# Allegro board meta_carrier_lay_rev1.brd (continued)
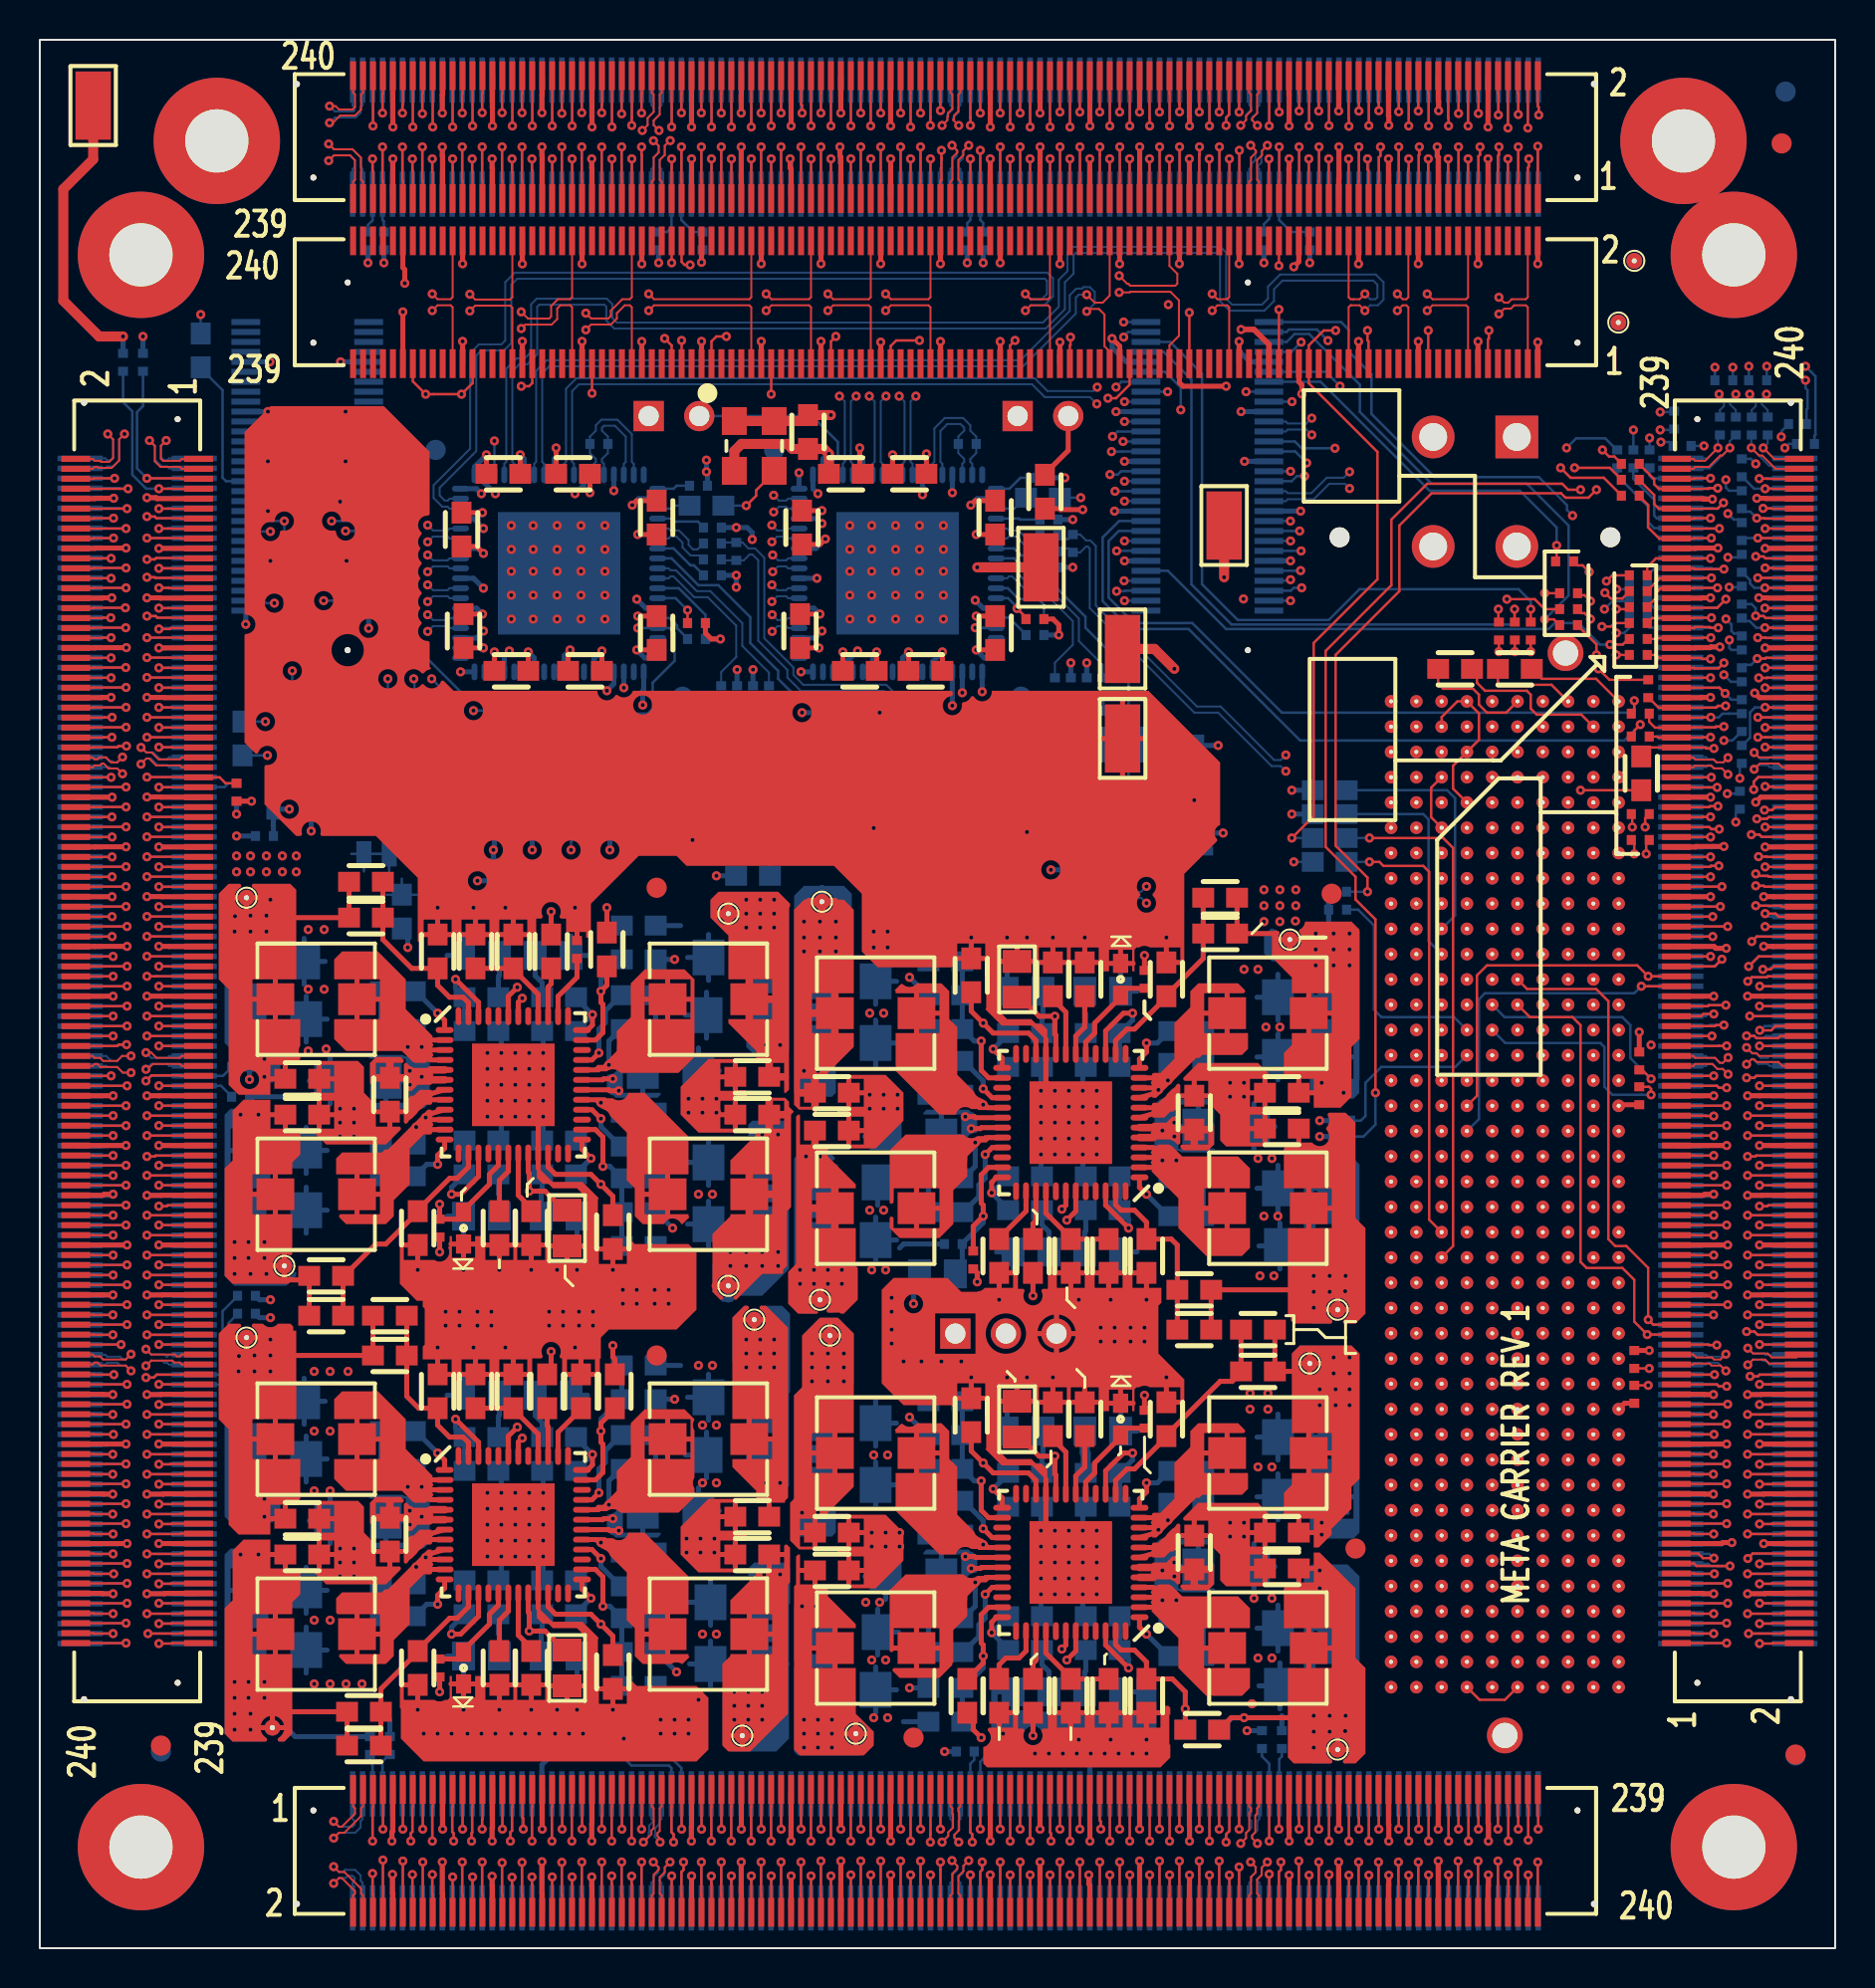
[diagram p0: board, top side]
## Routing (per net, layer and track width the routed paths; a pad name or vN(x,y) marks a point on that pad's centre or on a via; arc(x,y) is an arc through that point) (continued)
  BOTTOM w0.127: J15.233 v1(5.38,16.81)
WE_DATA_IN_P31: length 4.9
  TOP w0.127: v1(5.43,15.81) 7.07,15.81 7.09,15.83 J3.237
  BOTTOM w0.127: J15.237 v1(5.43,15.81)
WE_DATA_OUT_N0: length 3.3
  TOP w0.127: J3.22 v1(3.58,69.83)
  BOTTOM w0.127: J15.22 3.56,69.85 v1(3.58,69.83)
WE_DATA_OUT_N1: length 3.3
  TOP w0.127: J3.26 v1(3.58,68.83)
  BOTTOM w0.127: J15.26 3.56,68.85 v1(3.58,68.83)
WE_DATA_OUT_N2: length 4.8
  TOP w0.127: v1(4.3,67.35) 2.71,67.35 2.69,67.33 J3.32
  BOTTOM w0.127: J15.32 v1(4.3,67.35)
WE_DATA_OUT_N3: length 4.8
  TOP w0.127: v1(4.31,66.35) 2.71,66.35 2.69,66.33 J3.36
  BOTTOM w0.127: J15.36 v1(4.31,66.35)
WE_DATA_OUT_N4: length 3.3
  TOP w0.127: J3.42 v1(3.58,64.83)
  BOTTOM w0.127: J15.42 3.57,64.84 v1(3.58,64.83)
WE_DATA_OUT_N5: length 3.3
  TOP w0.127: J3.46 v1(3.58,63.83)
  BOTTOM w0.127: v1(3.58,63.83) 3.57,63.84 J15.46
WE_DATA_OUT_N6: length 4.8
  TOP w0.127: J3.52 2.69,62.33 2.7,62.34 v1(4.33,62.34)
  BOTTOM w0.127: J15.52 v1(4.33,62.34)
WE_DATA_OUT_N7: length 4.8
  TOP w0.127: v1(4.33,61.34) 2.7,61.34 2.69,61.33 J3.56
  BOTTOM w0.127: J15.56 v1(4.33,61.34)
WE_DATA_OUT_N8: length 3.4
  TOP w0.127: J3.82 v1(3.63,54.83)
  BOTTOM w0.127: J15.82 3.33,54.84 3.33,54.83 v1(3.63,54.83)
WE_DATA_OUT_N9: length 3.4
  TOP w0.127: J3.86 v1(3.63,53.83)
  BOTTOM w0.127: v1(3.63,53.83) 3.33,53.83 3.33,53.84 J15.86
WE_DATA_OUT_N10: length 4.8
  TOP w0.127: J3.92 2.69,52.33 2.7,52.34 v1(4.33,52.34)
  BOTTOM w0.127: J15.92 v1(4.33,52.34)
WE_DATA_OUT_N11: length 4.9
  TOP w0.127: v1(4.38,51.34) 2.7,51.34 2.69,51.33 J3.96
  BOTTOM w0.127: J15.96 v1(4.38,51.34)
WE_DATA_OUT_N12: length 3.5
  TOP w0.127: J3.102 v1(3.68,49.83)
  BOTTOM w0.127: v1(3.68,49.83) 3.33,49.83 3.33,49.83 J15.102
WE_DATA_OUT_N13: length 3.5
  TOP w0.127: J3.106 v1(3.68,48.83)
  BOTTOM w0.127: v1(3.68,48.83) 3.33,48.83 3.33,48.83 J15.106
WE_DATA_OUT_N14: length 4.9
  TOP w0.127: J3.112 2.69,47.33 2.69,47.33 v1(4.38,47.33)
  BOTTOM w0.127: J15.112 v1(4.38,47.33)
WE_DATA_OUT_N15: length 4.9
  TOP w0.127: v1(4.38,46.33) 2.69,46.33 2.69,46.33 J3.116
  BOTTOM w0.127: J15.116 v1(4.38,46.33)
WE_DATA_OUT_N16: length 3.5
  TOP w0.127: v1(3.68,39.83) 2.7,39.83 2.69,39.83 J3.142
  BOTTOM w0.127: J15.142 v1(3.68,39.83)
WE_DATA_OUT_N17: length 3.5
  TOP w0.127: v1(3.68,38.82) 2.7,38.82 2.69,38.83 J3.146
  BOTTOM w0.127: J15.146 v1(3.68,38.82)
WE_DATA_OUT_N18: length 4.8
  TOP w0.127: J3.152 v1(4.33,37.33)
  BOTTOM w0.127: v1(4.33,37.33) 3.33,37.33 3.33,37.32 J15.152
WE_DATA_OUT_N19: length 4.8
  TOP w0.127: J3.156 v1(4.33,36.33)
  BOTTOM w0.127: v1(4.33,36.33) 3.33,36.33 3.33,36.32 J15.156
WE_DATA_OUT_N20: length 3.5
  TOP w0.127: J3.162 2.69,34.83 2.7,34.82 v1(3.68,34.82)
  BOTTOM w0.127: J15.162 v1(3.68,34.82)
WE_DATA_OUT_N21: length 3.5
  TOP w0.127: v1(3.68,33.82) 2.7,33.82 2.69,33.83 J3.166
  BOTTOM w0.127: J15.166 v1(3.68,33.82)
WE_DATA_OUT_N22: length 4.9
  TOP w0.127: J3.172 v1(4.38,32.33)
  BOTTOM w0.127: J15.172 3.33,32.32 3.34,32.33 v1(4.38,32.33)
WE_DATA_OUT_N23: length 4.9
  TOP w0.127: J3.176 v1(4.38,31.33)
  BOTTOM w0.127: J15.176 3.33,31.32 3.34,31.33 v1(4.38,31.33)
WE_DATA_OUT_N24: length 3.5
  TOP w0.127: J3.202 2.69,24.83 2.71,24.82 v1(3.67,24.82)
  BOTTOM w0.127: J15.202 v1(3.67,24.82)
WE_DATA_OUT_N25: length 3.5
  TOP w0.127: J3.206 2.69,23.83 2.71,23.81 v1(3.66,23.81)
  BOTTOM w0.127: J15.206 v1(3.66,23.81)
WE_DATA_OUT_N26: length 4.8
  TOP w0.127: J3.212 v1(4.33,22.33)
  BOTTOM w0.127: J15.212 3.33,22.31 3.34,22.33 v1(4.33,22.33)
WE_DATA_OUT_N27: length 4.8
  TOP w0.127: J3.216 v1(4.33,21.33)
  BOTTOM w0.127: J15.216 3.33,21.31 3.34,21.33 v1(4.33,21.33)
WE_DATA_OUT_N28: length 3.5
  TOP w0.127: v1(3.68,19.81) 2.71,19.81 2.69,19.83 J3.222
  BOTTOM w0.127: J15.222 v1(3.68,19.81)
WE_DATA_OUT_N29: length 3.6
  TOP w0.127: v1(3.71,18.81) 2.71,18.81 2.69,18.83 J3.226
  BOTTOM w0.127: J15.226 v1(3.71,18.81)
WE_DATA_OUT_N30: length 4.9
  TOP w0.127: J3.232 v1(4.38,17.33)
  BOTTOM w0.127: v1(4.38,17.33) 3.35,17.33 3.33,17.31 J15.232
WE_DATA_OUT_N31: length 4.8
  TOP w0.127: J3.236 v1(4.33,16.33)
  BOTTOM w0.127: J15.236 3.33,16.31 3.35,16.33 v1(4.33,16.33)
WE_DATA_OUT_P0: length 4.8
  TOP w0.127: v1(4.33,69.35) 2.71,69.35 2.69,69.33 J3.24
  BOTTOM w0.127: J15.24 v1(4.33,69.35)
WE_DATA_OUT_P1: length 4.8
  TOP w0.127: v1(4.33,68.35) 2.71,68.35 2.69,68.33 J3.28
  BOTTOM w0.127: J15.28 v1(4.33,68.35)
WE_DATA_OUT_P2: length 3.3
  TOP w0.127: J3.34 3.15,66.83 3.17,66.85 v1(3.56,66.85)
  BOTTOM w0.127: v1(3.56,66.85) J15.34
WE_DATA_OUT_P3: length 3.3
  TOP w0.127: J3.38 3.17,65.83 3.19,65.85 v1(3.58,65.85)
  BOTTOM w0.127: v1(3.58,65.85) J15.38
WE_DATA_OUT_P4: length 4.8
  TOP w0.127: J3.44 2.69,64.33 2.71,64.34 v1(4.32,64.34)
  BOTTOM w0.127: J15.44 v1(4.32,64.34)
WE_DATA_OUT_P5: length 4.8
  TOP w0.127: J3.48 2.69,63.33 2.71,63.34 v1(4.33,63.34)
  BOTTOM w0.127: J15.48 v1(4.33,63.34)
WE_DATA_OUT_P6: length 3.4
  TOP w0.127: J3.54 3.22,61.83 3.24,61.84 v1(3.63,61.84)
  BOTTOM w0.127: v1(3.63,61.84) J15.54
WE_DATA_OUT_P7: length 3.4
  TOP w0.127: J3.58 3.21,60.83 3.22,60.84 v1(3.62,60.84)
  BOTTOM w0.127: v1(3.62,60.84) J15.58
WE_DATA_OUT_P8: length 4.8
  TOP w0.127: J3.84 2.69,54.33 2.7,54.34 v1(4.33,54.34)
  BOTTOM w0.127: J15.84 v1(4.33,54.34)
WE_DATA_OUT_P9: length 4.8
  TOP w0.127: J3.88 2.69,53.33 2.7,53.34 v1(4.33,53.34)
  BOTTOM w0.127: J15.88 v1(4.33,53.34)
WE_DATA_OUT_P10: length 3.4
  TOP w0.127: J3.94 v1(3.63,51.83)
  BOTTOM w0.127: J15.94 3.33,51.83 3.33,51.83 v1(3.63,51.83)
WE_DATA_OUT_P11: length 3.4
  TOP w0.127: J3.98 v1(3.63,50.83)
  BOTTOM w0.127: v1(3.63,50.83) 3.33,50.83 3.33,50.83 J15.98
WE_DATA_OUT_P12: length 4.9
  TOP w0.127: v1(4.38,49.33) 2.69,49.33 2.69,49.33 J3.104
  BOTTOM w0.127: J15.104 v1(4.38,49.33)
WE_DATA_OUT_P13: length 4.9
  TOP w0.127: v1(4.38,48.33) 2.69,48.33 2.69,48.33 J3.108
  BOTTOM w0.127: J15.108 v1(4.38,48.33)
WE_DATA_OUT_P14: length 3.5
  TOP w0.127: J3.114 v1(3.68,46.83)
  BOTTOM w0.127: v1(3.68,46.83) 3.33,46.83 3.33,46.83 J15.114
WE_DATA_OUT_P15: length 3.5
  TOP w0.127: J3.118 v1(3.68,45.83)
  BOTTOM w0.127: v1(3.68,45.83) 3.33,45.83 3.33,45.83 J15.118
WE_DATA_OUT_P16: length 4.8
  TOP w0.127: J3.144 v1(4.33,39.33)
  BOTTOM w0.127: v1(4.33,39.33) 3.33,39.33 3.33,39.33 J15.144
WE_DATA_OUT_P17: length 4.8
  TOP w0.127: J3.148 v1(4.33,38.33)
  BOTTOM w0.127: J15.148 3.33,38.33 3.33,38.33 v1(4.33,38.33)
WE_DATA_OUT_P18: length 3.5
  TOP w0.127: v1(3.68,36.82) 2.7,36.82 2.69,36.83 J3.154
  BOTTOM w0.127: J15.154 v1(3.68,36.82)
WE_DATA_OUT_P19: length 3.5
  TOP w0.127: v1(3.68,35.82) 2.7,35.82 2.69,35.83 J3.158
  BOTTOM w0.127: J15.158 v1(3.68,35.82)
WE_DATA_OUT_P20: length 4.9
  TOP w0.127: J3.164 v1(4.38,34.33)
  BOTTOM w0.127: v1(4.38,34.33) 3.33,34.33 3.33,34.32 J15.164
WE_DATA_OUT_P21: length 4.9
  TOP w0.127: J3.168 v1(4.38,33.33)
  BOTTOM w0.127: v1(4.38,33.33) 3.33,33.33 3.33,33.32 J15.168
WE_DATA_OUT_P22: length 3.5
  TOP w0.127: J3.174 2.69,31.83 2.7,31.82 v1(3.67,31.82)
  BOTTOM w0.127: J15.174 v1(3.67,31.82)
WE_DATA_OUT_P23: length 3.5
  TOP w0.127: J3.178 2.69,30.83 2.7,30.82 v1(3.67,30.82)
  BOTTOM w0.127: J15.178 v1(3.67,30.82)
WE_DATA_OUT_P24: length 4.8
  TOP w0.127: J3.204 v1(4.33,24.33)
  BOTTOM w0.127: J15.204 3.33,24.31 3.34,24.33 v1(4.33,24.33)
WE_DATA_OUT_P25: length 4.8
  TOP w0.127: J3.208 v1(4.33,23.33)
  BOTTOM w0.127: v1(4.33,23.33) 3.34,23.33 3.33,23.31 J15.208
WE_DATA_OUT_P26: length 3.5
  TOP w0.127: v1(3.66,21.81) 2.71,21.81 2.69,21.83 J3.214
  BOTTOM w0.127: J15.214 v1(3.66,21.81)
WE_DATA_OUT_P27: length 3.5
  TOP w0.127: J3.218 2.69,20.83 2.71,20.81 v1(3.68,20.81)
  BOTTOM w0.127: J15.218 v1(3.68,20.81)
WE_DATA_OUT_P28: length 4.9
  TOP w0.127: J3.224 v1(4.38,19.33)
  BOTTOM w0.127: v1(4.38,19.33) 3.35,19.33 3.33,19.31 J15.224
WE_DATA_OUT_P29: length 4.9
  TOP w0.127: J3.228 v1(4.38,18.33)
  BOTTOM w0.127: J15.228 3.33,18.31 3.35,18.33 v1(4.38,18.33)
WE_DATA_OUT_P30: length 3.5
  TOP w0.127: J3.234 2.69,16.83 2.71,16.81 v1(3.68,16.81)
  BOTTOM w0.127: J15.234 v1(3.68,16.81)
WE_DATA_OUT_P31: length 3.5
  TOP w0.127: J3.238 2.69,15.83 2.71,15.81 v1(3.68,15.81)
  BOTTOM w0.127: J15.238 v1(3.68,15.81)
WE_FRAME_IN_N0: length 10.7
  TOP w0.127: J3.5 7.09,73.83 7.07,73.85 v1(5.38,73.85)
  BOTTOM w0.127: R143.1 5.18,77.48 4.88,77.18 4.88,74.35 v1(5.38,73.85) J15.5
WE_FRAME_IN_N1: length 7
  TOP w0.127: v1(5.38,58.84) 7.08,58.84 7.09,58.83 J3.65 9.03,58.83 9.33,58.53 R5.1
  BOTTOM w0.127: J15.65 v1(5.38,58.84)
WE_FRAME_IN_N2: length 7.4
  TOP w0.127: J3.125 7.09,43.83 7.07,43.85 5.61,43.85 v1(5.33,43.57)
  BOTTOM w0.127: R139.1 9.63,44.26 9.2,43.83 J15.125 5.58,43.83 5.33,43.58 v1(5.33,43.57)
WE_FRAME_IN_N3: length 10.8
  TOP w0.127: v1(5.33,28.67) 5.72,28.67 5.87,28.82 7.08,28.82 7.09,28.83 J3.185
  BOTTOM w0.127: R136.1 9.93,32.76 9.18,32.01 9.18,28.94 9.05,28.82 J15.185 5.87,28.82 5.72,28.67 v1(5.33,28.67)
WE_FRAME_IN_P0: length 10.8
  TOP w0.127: J3.7 v1(5.98,73.33)
  BOTTOM w0.127: J15.7 6.45,73.35 6.43,73.33 v1(5.98,73.33) 5.35,73.33 4.65,74.03 4.65,77.21 4.18,77.68 R144.2
WE_FRAME_IN_P1: length 6
  TOP w0.127: J3.67 v1(5.98,58.33)
  BOTTOM w0.127: R141.2 9.47,58.53 9.28,58.34 J15.67 6.45,58.34 6.44,58.33 v1(5.98,58.33)
WE_FRAME_IN_P2: length 5.9
  TOP w0.127: J3.127 v1(5.98,43.33)
  BOTTOM w0.127: v1(5.98,43.33) 6.45,43.33 6.45,43.33 J15.127 9.1,43.33 9.63,42.8 R140.2
WE_FRAME_IN_P3: length 9
  TOP w0.127: J3.187 v1(5.98,28.33)
  BOTTOM w0.127: v1(5.98,28.33) 6.44,28.33 6.45,28.32 J15.187 9.05,28.32 9.48,28.74 9.48,31.41 9.93,31.86 R137.2
WE_FRAME_OUT_N0: length 3.7
  TOP w0.127: v1(3.75,73.85) 2.71,73.85 2.69,73.83 J3.6
  BOTTOM w0.127: J15.6 v1(3.75,73.85)
WE_FRAME_OUT_N1: length 3.3
  TOP w0.127: J3.66 v1(3.58,58.83)
  BOTTOM w0.127: v1(3.58,58.83) 3.34,58.83 3.33,58.84 J15.66
WE_FRAME_OUT_N2: length 3.3
  TOP w0.127: J3.126 v1(3.58,43.83)
  BOTTOM w0.127: J15.126 3.33,43.83 3.33,43.83 v1(3.58,43.83)
WE_FRAME_OUT_N3: length 3.6
  TOP w0.127: v1(3.72,28.82) 2.7,28.82 2.69,28.83 J3.186
  BOTTOM w0.127: J15.186 v1(3.72,28.82)
WE_FRAME_OUT_P0: length 5
  TOP w0.127: v1(4.43,73.33) J3.8
  BOTTOM w0.127: v1(4.43,73.33) 4.04,73.33 4.01,73.35 J15.8
WE_FRAME_OUT_P1: length 4.8
  TOP w0.127: J3.68 2.69,58.33 2.7,58.34 v1(4.33,58.34)
  BOTTOM w0.127: J15.68 v1(4.33,58.34)
WE_FRAME_OUT_P2: length 4.9
  TOP w0.127: v1(4.38,43.33) 2.69,43.33 2.69,43.33 J3.128
  BOTTOM w0.127: J15.128 v1(4.38,43.33)
WE_FRAME_OUT_P3: length 4.9
  TOP w0.127: J3.188 v1(4.38,28.33)
  BOTTOM w0.127: v1(4.38,28.33) 3.34,28.33 3.33,28.32 J15.188
WE_LCLK_IN_N0: length 5.7
  TOP w0.102: J3.1 7.13,74.83 7.03,74.73 6.18,74.73 6.08,74.83 6.08,75.48 v1(6.35,75.75)
  BOTTOM w0.102: J15.1 6.49,74.85 6.39,74.75 6.25,74.75 6.08,74.93 6.08,75.48 v1(6.35,75.75)
WE_LCLK_IN_N1: length 6.1
  TOP w0.102: v1(5.08,60.33) 5.1,60.33 5.35,60.08 5.62,60.08 5.96,59.73 7.03,59.73 7.13,59.83 J3.61
  BOTTOM w0.102: v1(5.08,60.33) 5.1,60.33 5.35,60.08 5.7,60.08 6.04,59.74 6.39,59.74 6.49,59.84 J15.61
WE_LCLK_IN_N2: length 5.4
  TOP w0.102: v1(5.33,45) 5.6,45 5.87,44.73 7.03,44.73 7.13,44.83 J3.121
  BOTTOM w0.102: v1(5.33,45) 5.6,44.73 6.39,44.73 6.49,44.83 J15.121
WE_LCLK_IN_N3: length 5.5
  TOP w0.102: J3.181 7.13,29.83 7.03,29.73 6.89,29.73 6.79,29.83 5.6,29.83 v1(5.33,30.1)
  BOTTOM w0.102: v1(5.33,30.1) 5.6,29.83 6.27,29.83 6.38,29.72 6.39,29.72 6.49,29.82 J15.181
WE_LCLK_IN_P0: length 6.7
  TOP w0.102: J3.3 7.13,74.33 7.03,74.43 6.06,74.43 5.78,74.71 5.78,75.48 v1(5.51,75.75)
  BOTTOM w0.102: J15.3 6.49,74.35 6.39,74.45 6.12,74.45 5.78,74.8 5.78,75.48 v1(5.51,75.75)
WE_LCLK_IN_P1: length 6.2
  TOP w0.102: J3.63 7.13,59.33 7.03,59.43 5.84,59.43 5.49,59.78 5.35,59.78 5.08,59.51 v1(5.08,59.49)
  BOTTOM w0.102: v1(5.08,59.49) 5.08,59.51 5.35,59.78 5.58,59.78 5.91,59.44 6.39,59.44 6.49,59.34 J15.63
WE_LCLK_IN_P2: length 5.4
  TOP w0.102: J3.123 7.13,44.33 7.03,44.43 5.68,44.43 5.41,44.16 v1(5.33,44.16)
  BOTTOM w0.102: v1(5.33,44.16) 5.6,44.43 6.39,44.43 6.49,44.33 J15.123
WE_LCLK_IN_P3: length 5.5
  TOP w0.102: v1(5.33,29.26) 5.6,29.53 6.66,29.53 6.76,29.43 7.03,29.43 7.13,29.33 J3.183
  BOTTOM w0.102: J15.183 6.49,29.32 6.39,29.42 6.25,29.42 6.14,29.53 5.6,29.53 v1(5.33,29.26)
WE_LCLK_OUT_N0: length 6.4
  TOP w0.102: J3.2 2.65,74.83 2.75,74.73 3.02,74.73 3.07,74.68 3.48,74.68 3.68,74.88 3.68,75.81 v1(3.41,76.08)
  BOTTOM w0.102: v1(3.41,76.08) 3.68,75.81 3.68,74.86 3.58,74.75 3.39,74.75 3.29,74.85 J15.2
WE_LCLK_OUT_N1: length 5
  TOP w0.102: J3.62 2.65,59.83 2.75,59.73 2.89,59.73 2.99,59.83 3.33,59.83 3.58,59.58 3.88,59.58 v1(4.15,59.85)
  BOTTOM w0.102: v1(4.15,59.85) 3.88,59.58 3.68,59.58 3.62,59.65 3.48,59.65 3.29,59.84 J15.62
WE_LCLK_OUT_N2: length 5.7
  TOP w0.102: J3.122 2.65,44.83 2.75,44.73 3.02,44.73 3.17,44.58 3.88,44.58 4.13,44.83 v1(4.58,44.83)
  BOTTOM w0.102: J15.122 3.33,44.83 3.58,44.58 3.88,44.58 4.13,44.83 v1(4.58,44.83)
WE_LCLK_OUT_N3: length 5.8
  TOP w0.102: J3.182 2.65,29.83 2.75,29.73 3.02,29.73 3.17,29.58 4.31,29.58 v1(4.58,29.85)
  BOTTOM w0.102: v1(4.58,29.85) 4.31,29.58 4.17,29.58 4.03,29.72 3.39,29.72 3.29,29.82 J15.182
WE_LCLK_OUT_P0: length 7.4
  TOP w0.102: J3.4 2.65,74.33 2.75,74.43 2.89,74.43 2.95,74.38 3.61,74.38 3.98,74.75 3.98,75.81 v1(4.25,76.08)
  BOTTOM w0.102: J15.4 3.29,74.35 3.39,74.45 3.7,74.45 3.98,74.73 3.98,75.81 v1(4.25,76.08)
WE_LCLK_OUT_P1: length 4.9
  TOP w0.102: v1(4.15,59.01) 3.88,59.28 3.45,59.28 3.2,59.53 3.12,59.53 3.02,59.43 2.75,59.43 2.65,59.33 J3.64
  BOTTOM w0.102: J15.64 3.49,59.34 3.56,59.28 3.88,59.28 v1(4.15,59.01)
WE_LCLK_OUT_P2: length 5.7
  TOP w0.102: J3.124 2.65,44.33 2.75,44.43 2.89,44.43 3.05,44.28 3.88,44.28 4.17,43.99 v1(4.58,43.99)
  BOTTOM w0.102: v1(4.58,43.99) 4.17,43.99 3.88,44.28 3.38,44.28 3.33,44.33 J15.124
WE_LCLK_OUT_P3: length 5.8
  TOP w0.102: J3.184 2.65,29.33 2.75,29.43 2.89,29.43 3.05,29.28 4.31,29.28 v1(4.58,29.01)
  BOTTOM w0.102: J15.184 3.29,29.32 3.39,29.42 3.9,29.42 4.04,29.28 4.31,29.28 v1(4.58,29.01)
WE_WAIT_RD_IN_N0: length 4.8
  TOP w0.127: J3.16 v1(4.33,71.33)
  BOTTOM w0.127: v1(4.33,71.33) 3.35,71.33 3.33,71.35 J15.16
WE_WAIT_RD_IN_N1: length 4.8
  TOP w0.127: v1(4.33,56.34) 2.7,56.34 2.69,56.33 J3.76
  BOTTOM w0.127: J15.76 v1(4.33,56.34)
WE_WAIT_RD_IN_N2: length 4.8
  TOP w0.127: J3.136 2.69,41.33 2.69,41.33 v1(4.33,41.33)
  BOTTOM w0.127: J15.136 v1(4.33,41.33)
WE_WAIT_RD_IN_N3: length 4.8
  TOP w0.127: J3.196 v1(4.33,26.33)
  BOTTOM w0.127: v1(4.33,26.33) 3.34,26.33 3.33,26.32 J15.196
WE_WAIT_RD_IN_P0: length 3.6
  TOP w0.127: v1(3.7,70.85) 2.71,70.85 2.69,70.83 J3.18
  BOTTOM w0.127: J15.18 v1(3.7,70.85)
WE_WAIT_RD_IN_P1: length 3.4
  TOP w0.127: J3.78 v1(3.63,55.83)
  BOTTOM w0.127: J15.78 3.33,55.84 3.33,55.83 v1(3.63,55.83)
WE_WAIT_RD_IN_P2: length 3.5
  TOP w0.127: v1(3.68,40.83) 2.69,40.83 2.69,40.83 J3.138
  BOTTOM w0.127: J15.138 v1(3.68,40.83)
WE_WAIT_RD_IN_P3: length 3.6
  TOP w0.127: v1(3.69,25.82) 2.71,25.82 2.69,25.83 J3.198
  BOTTOM w0.127: J15.198 v1(3.69,25.82)
WE_WAIT_RD_OUT_N0: length 3.8
  TOP w0.127: J3.15 v1(5.98,71.33)
  BOTTOM w0.127: J15.15 6.45,71.35 6.43,71.33 v1(5.98,71.33)
WE_WAIT_RD_OUT_N1: length 3.8
  TOP w0.127: J3.75 v1(5.98,56.33)
  BOTTOM w0.127: v1(5.98,56.33) 6.44,56.33 6.45,56.34 J15.75
WE_WAIT_RD_OUT_N2: length 3.8
  TOP w0.127: J3.135 v1(5.98,41.33)
  BOTTOM w0.127: J15.135 6.45,41.33 6.45,41.33 v1(5.98,41.33)
WE_WAIT_RD_OUT_N3: length 3.8
  TOP w0.127: J3.195 v1(5.98,26.33)
  BOTTOM w0.127: J15.195 6.45,26.32 6.44,26.33 v1(5.98,26.33)
WE_WAIT_RD_OUT_P0: length 5
  TOP w0.127: v1(5.38,70.85) 7.07,70.85 7.09,70.83 J3.17
  BOTTOM w0.127: J15.17 v1(5.38,70.85)
WE_WAIT_RD_OUT_P1: length 5
  TOP w0.127: J3.77 7.09,55.83 7.08,55.84 v1(5.38,55.84)
  BOTTOM w0.127: J15.77 v1(5.38,55.84)
WE_WAIT_RD_OUT_P2: length 5
  TOP w0.127: v1(5.38,40.83) 7.09,40.83 7.09,40.83 J3.137
  BOTTOM w0.127: J15.137 v1(5.38,40.83)
WE_WAIT_RD_OUT_P3: length 5
  TOP w0.127: J3.197 7.09,25.83 7.07,25.82 v1(5.38,25.82)
  BOTTOM w0.127: J15.197 v1(5.38,25.82)
WE_WAIT_WR_IN_N0: length 4.9
  TOP w0.127: J3.12 v1(4.38,72.33)
  BOTTOM w0.127: v1(4.38,72.33) 3.99,72.33 3.97,72.35 J15.12
WE_WAIT_WR_IN_N1: length 4.8
  TOP w0.127: J3.72 2.69,57.33 2.7,57.34 v1(4.33,57.34)
  BOTTOM w0.127: J15.72 v1(4.33,57.34)
WE_WAIT_WR_IN_N2: length 4.8
  TOP w0.127: J3.132 2.69,42.33 2.69,42.33 v1(4.33,42.33)
  BOTTOM w0.127: J15.132 v1(4.33,42.33)
WE_WAIT_WR_IN_N3: length 4.9
  TOP w0.127: J3.192 v1(4.38,27.33)
  BOTTOM w0.127: J15.192 3.33,27.32 3.34,27.33 v1(4.38,27.33)
WE_WAIT_WR_IN_P0: length 3.6
  TOP w0.127: J3.14 2.69,71.83 2.71,71.85 v1(3.7,71.85)
  BOTTOM w0.127: J15.14 v1(3.7,71.85)
WE_WAIT_WR_IN_P1: length 3.4
  TOP w0.127: v1(3.62,56.84) 3.23,56.84 3.22,56.83 J3.74
  BOTTOM w0.127: v1(3.62,56.84) J15.74
WE_WAIT_WR_IN_P2: length 3.5
  TOP w0.127: J3.134 v1(3.68,41.83)
  BOTTOM w0.127: v1(3.68,41.83) 3.33,41.83 3.33,41.83 J15.134
WE_WAIT_WR_IN_P3: length 3.5
  TOP w0.127: J3.194 2.69,26.83 2.71,26.82 v1(3.67,26.82)
  BOTTOM w0.127: J15.194 v1(3.67,26.82)
WE_WAIT_WR_OUT_N0: length 3.8
  TOP w0.127: J3.11 v1(5.98,72.33)
  BOTTOM w0.127: J15.11 6.45,72.35 6.43,72.33 v1(5.98,72.33)
WE_WAIT_WR_OUT_N1: length 3.8
  TOP w0.127: J3.71 v1(5.98,57.33)
  BOTTOM w0.127: J15.71 6.45,57.34 6.44,57.33 v1(5.98,57.33)
WE_WAIT_WR_OUT_N2: length 3.8
  TOP w0.127: J3.131 v1(5.98,42.33)
  BOTTOM w0.127: J15.131 6.45,42.33 6.45,42.33 v1(5.98,42.33)
WE_WAIT_WR_OUT_N3: length 3.8
  TOP w0.127: v1(5.98,27.32) 6.51,27.32 6.52,27.33 J3.191
  BOTTOM w0.127: v1(5.98,27.32) J15.191
WE_WAIT_WR_OUT_P0: length 5
  TOP w0.127: v1(5.38,71.93) 5.77,71.93 5.85,71.85 7.07,71.85 7.09,71.83 J3.13
  BOTTOM w0.127: v1(5.38,71.93) 5.77,71.93 5.85,71.85 J15.13
WE_WAIT_WR_OUT_P1: length 5
  TOP w0.127: v1(5.38,56.84) 7.08,56.84 7.09,56.83 J3.73
  BOTTOM w0.127: J15.73 v1(5.38,56.84)
WE_WAIT_WR_OUT_P2: length 5
  TOP w0.127: v1(5.38,41.83) 7.09,41.83 7.09,41.83 J3.133
  BOTTOM w0.127: J15.133 v1(5.38,41.83)
WE_WAIT_WR_OUT_P3: length 5
  TOP w0.127: v1(5.38,26.82) 7.07,26.82 7.09,26.83 J3.193
  BOTTOM w0.127: J15.193 v1(5.38,26.82)
N9103313: length 8
  TOP w0.127: P1.J39 77.42,61.98 75.18,61.98 74.88,62.28 74.88,62.98 74.68,63.18 72.58,63.18 72.18,63.58 72.18,64.03 R4.2
N9103357: length 5
  TOP w0.127: R2.2 75.43,63.78 78.16,63.78 P1.K40
N9135133: length 3
  TOP w0.254: R18.2 48.18,35.68 49.53,37.03 U3.38
N9393424: length 7.3
  TOP w0.254: v1(47.28,45.58) 47.28,44.1 47.65,43.73 U3.26
  BOTTOM w0.254: v1(47.28,45.58) 46.93,45.58 C113.2 R81.1 R80.1
N9393624: length 8.8
  TOP w0.254: R22.1 46.88,36.28 v1(47.38,36.78) 47.38,37.34 47.28,37.44 47.28,38.86 47.65,39.23 U3.35
  BOTTOM w0.254: C119.2 46.33,34.23 R79.1 46.33,35.4 47.38,36.45 v1(47.38,36.78)
N9396494: length 3.3
  TOP w0.254: R8.2 26.98,48.78 26.03,47.83 U2.38
N9396754: length 8.5
  TOP w0.254: U2.35 27.91,45.63 28.28,46 28.28,47.42 28.18,47.52 v1(28.18,48.08) 28.48,48.38 C22.2
  BOTTOM w0.254: v1(28.18,48.08) 28.18,48.68 29.18,49.68 R100.1 R99.1
N9397654: length 3.3
  TOP w0.254: U5.38 49.53,14.93 49.18,14.58 48.52,14.58 48.18,14.24 R37.2
N9398753: length 2.9
  TOP w0.254: R31.2 27.18,27.08 26.03,25.93 U4.38
N9406213: length 7.2
  BOTTOM w0.127: R142.2 8.08,79.38 9.18,78.28 9.18,73.88 9.36,73.7 J14.28
N9407357: length 26.4
  TOP w0.127: v1(66.78,55.78) 70.48,55.78 70.98,55.28 70.98,35.28 P1.C18
  BOTTOM w0.127: v1(66.78,55.78) R48.2
N9411664: length 12.5
  BOTTOM w0.127: R46.2 70.68,58.18 71.08,57.78 71.08,51.89 P1.C31
N9411668: length 11.3
  BOTTOM w0.127: R47.2 69.48,56.98 69.75,56.71 69.75,50.6 P1.C30
N9564956: length 7.3
  TOP w0.254: v1(28.28,39.28) 28.28,40.76 27.91,41.13 U2.26
  BOTTOM w0.254: v1(28.28,39.28) 28.63,39.28 C154.2 R103.1 R104.1
N9566934: length 24.6
  TOP w0.254: TP12.1 39.68,31.43 ; TP12.1 39.03,30.78 ; TP12.1 40.33,30.78 ; TP12.1 39.68,30.13 ; 38.13,20.88 C55.1 ; C55.1 38.93,21.63 ; C55.1 38.93,20.13 ; 38.73,24.88 L11.2 ; L11.2 39.93,25.93 ; L11.2 39.93,23.83
  SIGNAL_L3 w0.508: v1(40.38,28.48) 42.18,26.68 v1(43.68,26.68)
  BOTTOM w0.254: C129.1 39.18,24.43 ; C129.1 39.18,22.13 ; C129.1 38.13,23.28 ; 39.03,30.78 TP12.1 ; TP12.1 39.68,30.13 ; TP12.1 40.33,30.78 ; TP12.1 39.68,31.43 ; C128.1 39.18,27.53 ; C128.1 38.13,26.38 ; C128.1 39.18,25.23 ; C116.1 R85.2 44.58,25.78 v1(43.68,26.68)
  vias: v1(38.28,21.88) v1(38.78,29.88) v1(38.78,29.18) v1(38.78,28.48) v1(39.08,21.88) v1(39.58,29.88) v1(39.58,29.18) v1(39.58,28.48) v1(40.38,29.88) v1(40.38,29.18)
N9566986: length 7.3
  TOP w0.254: v1(47.28,23.48) 47.28,22 47.65,21.63 U5.26
  BOTTOM w0.254: R84.1 R85.1 C116.2 46.93,23.48 v1(47.28,23.48)
N9567341: length 31.5
  TOP w0.254: 40.98,10.13 TP15.1 ; TP15.1 40.33,10.78 ; TP15.1 40.98,11.43 ; TP15.1 41.63,10.78 ; v1(47.28,10.58) 46.88,10.98 46.88,11.53 C67.1 ; 38.73,15.08 L15.2 ; L15.2 39.93,16.13 ; L15.2 39.93,14.03 ; 38.13,18.98 C62.1 38.93,18.23
  SIGNAL_L3 w0.254: v1(43.68,13.08) 41.38,13.08 v1(39.78,11.48) ; v1(47.28,10.58) 44.88,10.58 44.38,10.08 v1(39.78,10.08)
  BOTTOM w0.254: 38.13,12.98 C130.1 ; C130.1 39.18,11.83 ; C130.1 39.18,14.13 ; C124.1 39.28,17.03 ; C124.1 38.23,15.88 ; C124.1 39.28,14.73 ; TP15.1 40.98,11.43 ; TP15.1 40.98,10.13 ; TP15.1 41.63,10.78 ; TP15.1 40.33,10.78 ; R88.2 v1(43.68,13.08)
  vias: v1(38.28,17.18) v1(38.38,11.48) v1(38.38,10.78) v1(38.38,10.08) v1(38.98,17.18) v1(39.08,11.48) v1(39.08,10.78) v1(39.08,10.08) v1(39.78,10.78)
N9567389: length 8.6
  TOP w0.254: C67.2 47.38,14.33 v1(47.38,14.68) 47.38,15.24 47.28,15.34 47.28,16.76 47.65,17.13 U5.35
  BOTTOM w0.254: v1(47.38,14.68) 47.38,14.08 46.38,13.08 R88.1 R89.1
N9567588: length 23.3
  TOP w0.254: 35.63,14.73 L14.2 ; L14.2 35.63,16.83 ; L14.2 36.83,15.78 ; 35.28,10.03 TP16.1 ; TP16.1 35.28,11.33 ; TP16.1 35.93,10.68 ; TP16.1 34.63,10.68 ; 36.63,19.03 C60.1 37.43,19.78
  SIGNAL_L3 w0.254: v1(31.98,13.88) 33.88,13.88 v1(34.88,12.88)
  BOTTOM w0.254: 36.48,13.13 C134.1 ; C134.1 36.48,15.43 ; C134.1 37.53,14.28 ; 34.63,10.68 TP16.1 ; TP16.1 35.28,10.03 ; TP16.1 35.93,10.68 ; TP16.1 35.28,11.33 ; 36.48,16.23 C133.1 ; C133.1 36.48,18.53 ; C133.1 37.53,17.38 ; v1(31.98,13.88) 30.98,14.88 R109.2 C157.1
  vias: v1(34.88,12.18) v1(34.88,11.48) v1(35.58,12.88) v1(35.58,12.18) v1(35.58,11.48) v1(36.28,12.88) v1(36.28,12.18) v1(36.28,11.48) v1(36.38,18.78) v1(37.18,18.78)
N9567636: length 7.3
  TOP w0.254: U4.26 27.91,19.03 28.28,18.66 v1(28.28,17.18)
  BOTTOM w0.254: v1(28.28,17.18) 28.63,17.18 C157.2 R109.1 R110.1
N9567837: length 28.2
  TOP w0.254: v1(28.78,30.28) 28.78,29.71 28.88,29.61 C48.1 ; 35.23,31.58 TP11.1 ; TP11.1 36.53,31.58 ; TP11.1 35.88,30.93 ; L10.2 36.83,25.58 ; L10.2 35.63,26.63 ; L10.2 35.63,24.53 ; C53.1 36.63,22.43
  SIGNAL_L3 w0.508: v1(28.78,30.28) 34.18,30.28 34.48,30.58 v1(35.48,30.58) ; v1(35.48,29.18) 33.88,27.58 v1(31.88,27.58)
  BOTTOM w0.254: 35.88,30.93 TP11.1 ; TP11.1 35.23,31.58 ; TP11.1 36.53,31.58 ; C139.1 36.38,28.83 ; C139.1 36.38,26.53 ; C139.1 37.43,27.68 ; C141.1 37.33,24.78 ; C141.1 36.28,23.63 ; C141.1 36.28,25.93 ; R106.2 v1(31.88,27.58)
  vias: v1(35.48,29.88) v1(36.18,30.58) v1(36.18,29.88) v1(36.18,29.18) v1(36.48,23.38) v1(36.88,30.58) v1(36.88,29.88) v1(36.88,29.18) v1(37.18,23.38)
N9567885: length 8.5
  TOP w0.254: U4.35 27.91,23.53 28.28,23.9 28.28,25.32 28.18,25.42 v1(28.18,25.98) 28.18,26.38 28.88,27.08 C48.2
  BOTTOM w0.254: R105.1 R106.1 29.18,27.58 28.18,26.58 v1(28.18,25.98)
N9607504: length 22.7
  TOP w0.127: 70.41,35.98 69.78,36.6 69.78,54.08 69.48,54.38 67.48,54.38 67.28,54.58 v1(66.78,54.58)
  BOTTOM w0.127: v1(66.78,54.58) R49.2
N9610290: length 10.3
  BOTTOM w0.127: R125.2 18.93,52.93 ; R125.2 18.18,53.73 ; R125.2 17.43,52.93 ; U12.7 19.45,54.98 ; U12.7 18.81,54.1 ; U12.7 18.18,54.98 ; U12.6 18.18,54.98 ; U12.6 17.55,54.1 ; U12.6 16.91,54.98 ; 19.45,54.98 U12.8 20.09,54.1 ; 16.27,54.1 U12.5 ; U12.5 16.91,54.98 ; U12.5 15.64,54.98
N90768711: length 18.6
  TOP w0.127: v1(78.68,68.69) 78.97,68.98 R158.2
  SIGNAL_L5 w0.083: v1(62.81,67.7) 64.34,67.7 65.32,68.69 v1(78.68,68.69)
  BOTTOM w0.127: v1(62.81,67.7) J8.3
N90768712: length 19.4
  SIGNAL_L3 w0.083: v1(63.37,68.35) 63.88,68.86 77.3,68.86 78.48,67.68 78.98,67.68 79.19,67.89 v1(79.19,68.28)
  BOTTOM w0.127: R150.2 79.63,68.28 v1(79.19,68.28) ; J8.5 62.83,68.2 62.98,68.35 v1(63.37,68.35)
N90768713: length 19.6
  SIGNAL_L3 w0.083: v1(62.81,68.76) 62.81,68.33 63.18,67.97 64.47,67.97 64.98,68.48 76.38,68.48 77.58,67.28 v1(78.58,67.28)
  BOTTOM w0.127: v1(78.58,67.28) 78.98,67.68 R152.2 ; v1(62.81,68.76) 62.76,68.7 J8.7
N90768714: length 22.7
  TOP w0.127: v1(78.45,66.41) 78.91,66.41 79.08,66.58 R159.2
  SIGNAL_L3 w0.083: v1(78.45,66.41) 77.74,66.41 76.96,67.18 75.78,67.18 74.78,68.18 72.68,68.18 71.76,67.26 62.69,67.26 62.41,67.54 62.41,68.88 62.75,69.22 v1(63.32,69.22)
  BOTTOM w0.127: J8.9 63.1,69.2 63.12,69.23 63.3,69.23 v1(63.32,69.22)
N90768716: length 20.3
  TOP w0.127: v1(79.18,64.98) R147.2
  SIGNAL_L12 w0.083: v1(79.18,64.98) 78.72,64.98 77.32,66.38 67.17,66.38 v1(63.35,70.2)
  BOTTOM w0.127: v1(63.35,70.2) J8.13
N90768717: length 21.8
  TOP w0.127: R154.2 75.58,67.28 75.08,67.78 v1(73.68,67.78)
  SIGNAL_L3 w0.083: v1(60.45,67.79) 60.45,68.34 v1(62.81,70.7)
  SIGNAL_L5 w0.083: v1(73.68,67.78) 65.88,67.78 64.97,66.88 61.37,66.88 v1(60.45,67.79)
  BOTTOM w0.127: J8.15 v1(62.81,70.7)
